# Altium PCB A8_multiple.PcbDoc (part 1 of 10)
Units mm, origin at the board's own origin, x right, y up, seen from the top; angles counter-clockwise.
Board outline 140 x 140 mm, 2 copper layers (Top Layer, Bottom Layer); 80 components, 0 nets, 928 pads, 160 vias.
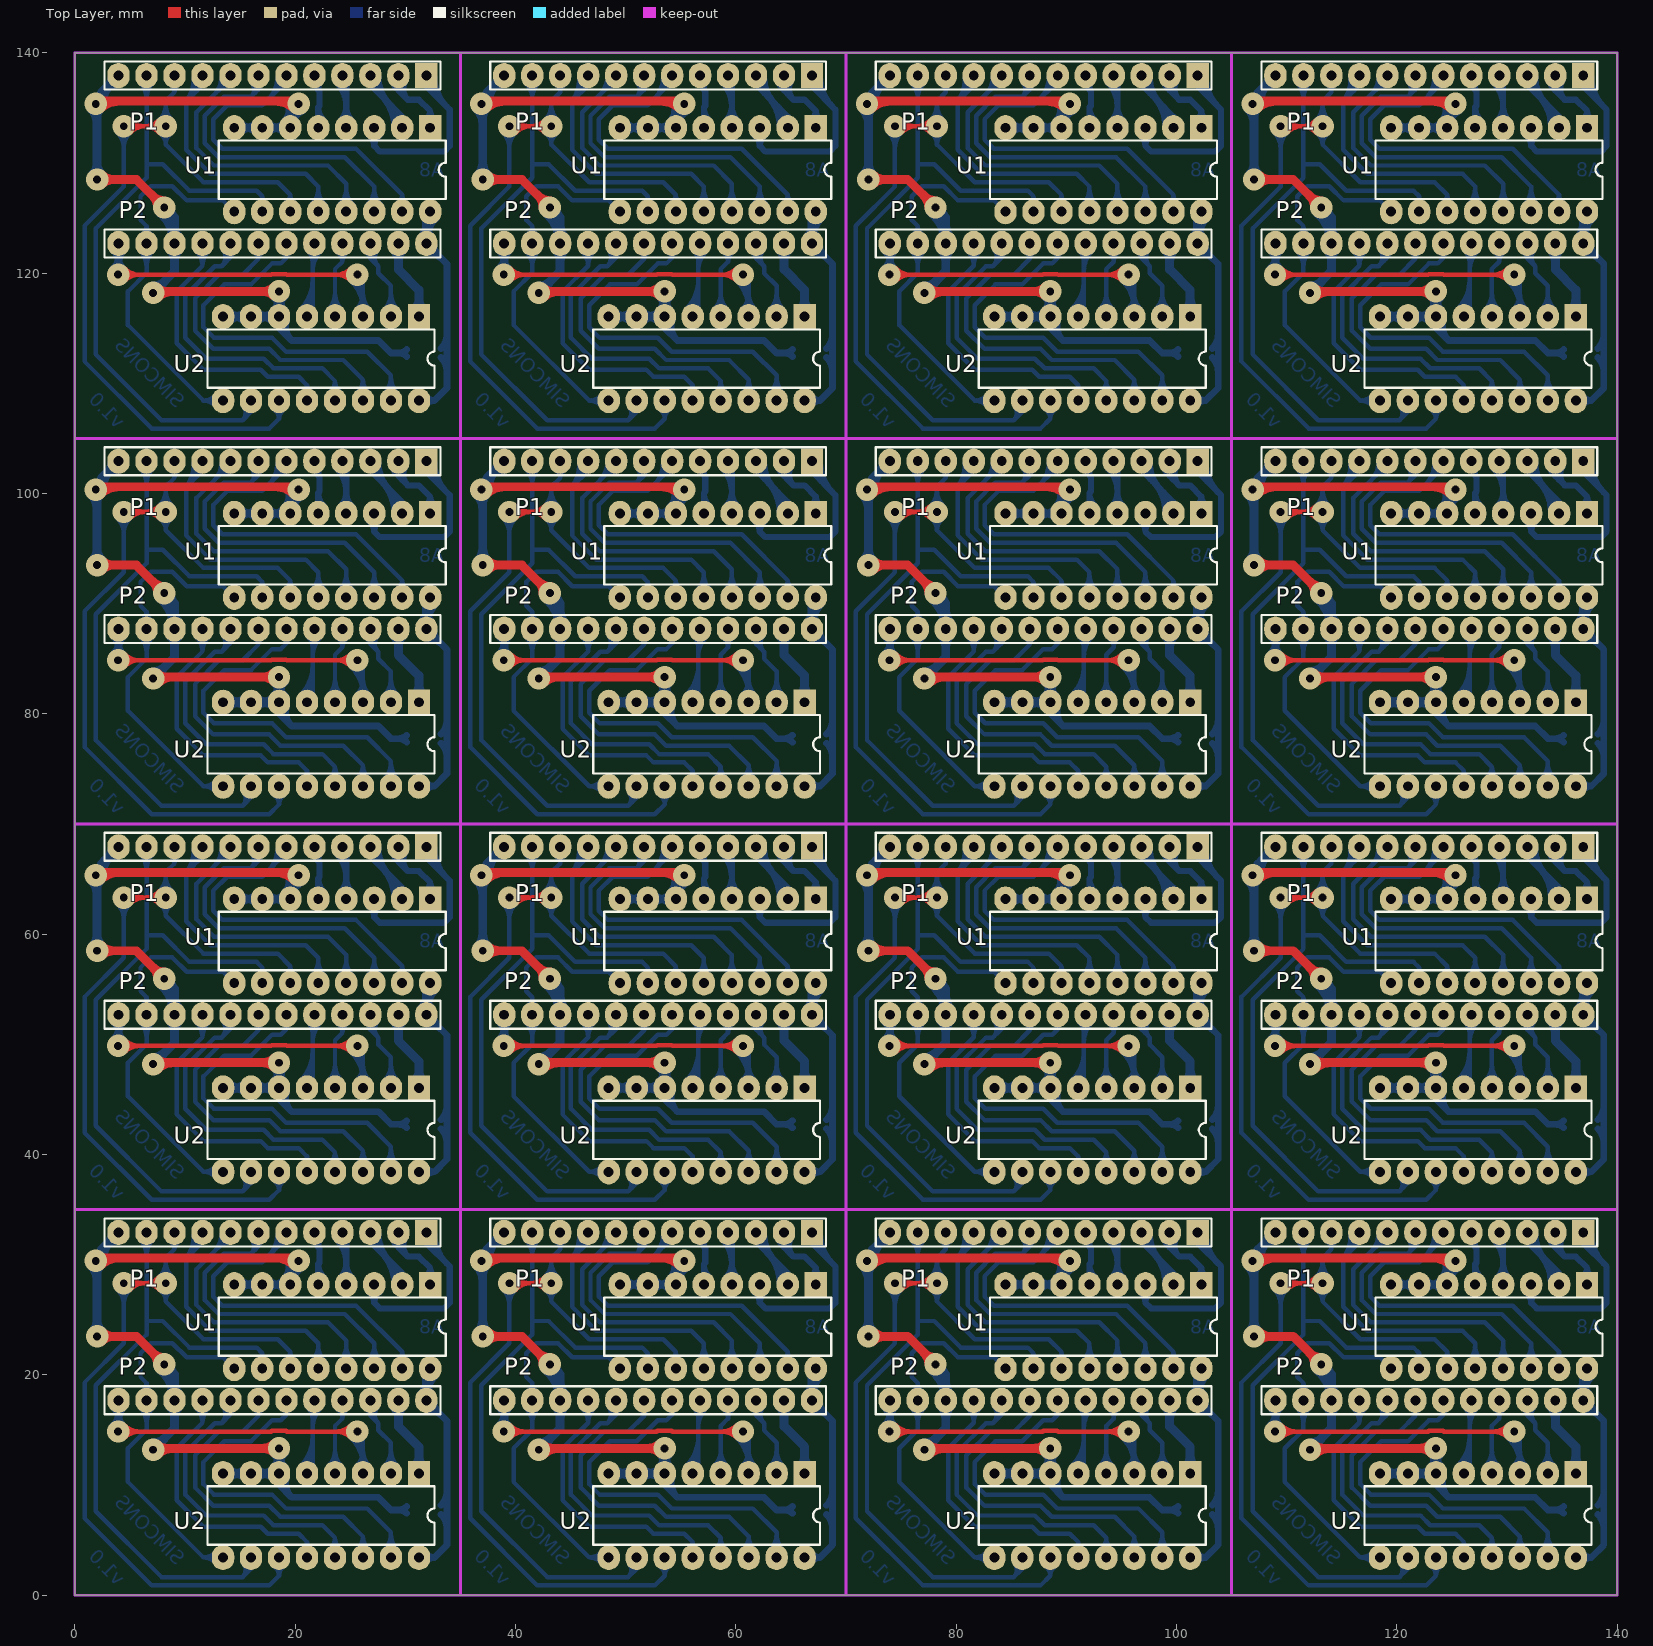
[diagram p0: Top Layer view]
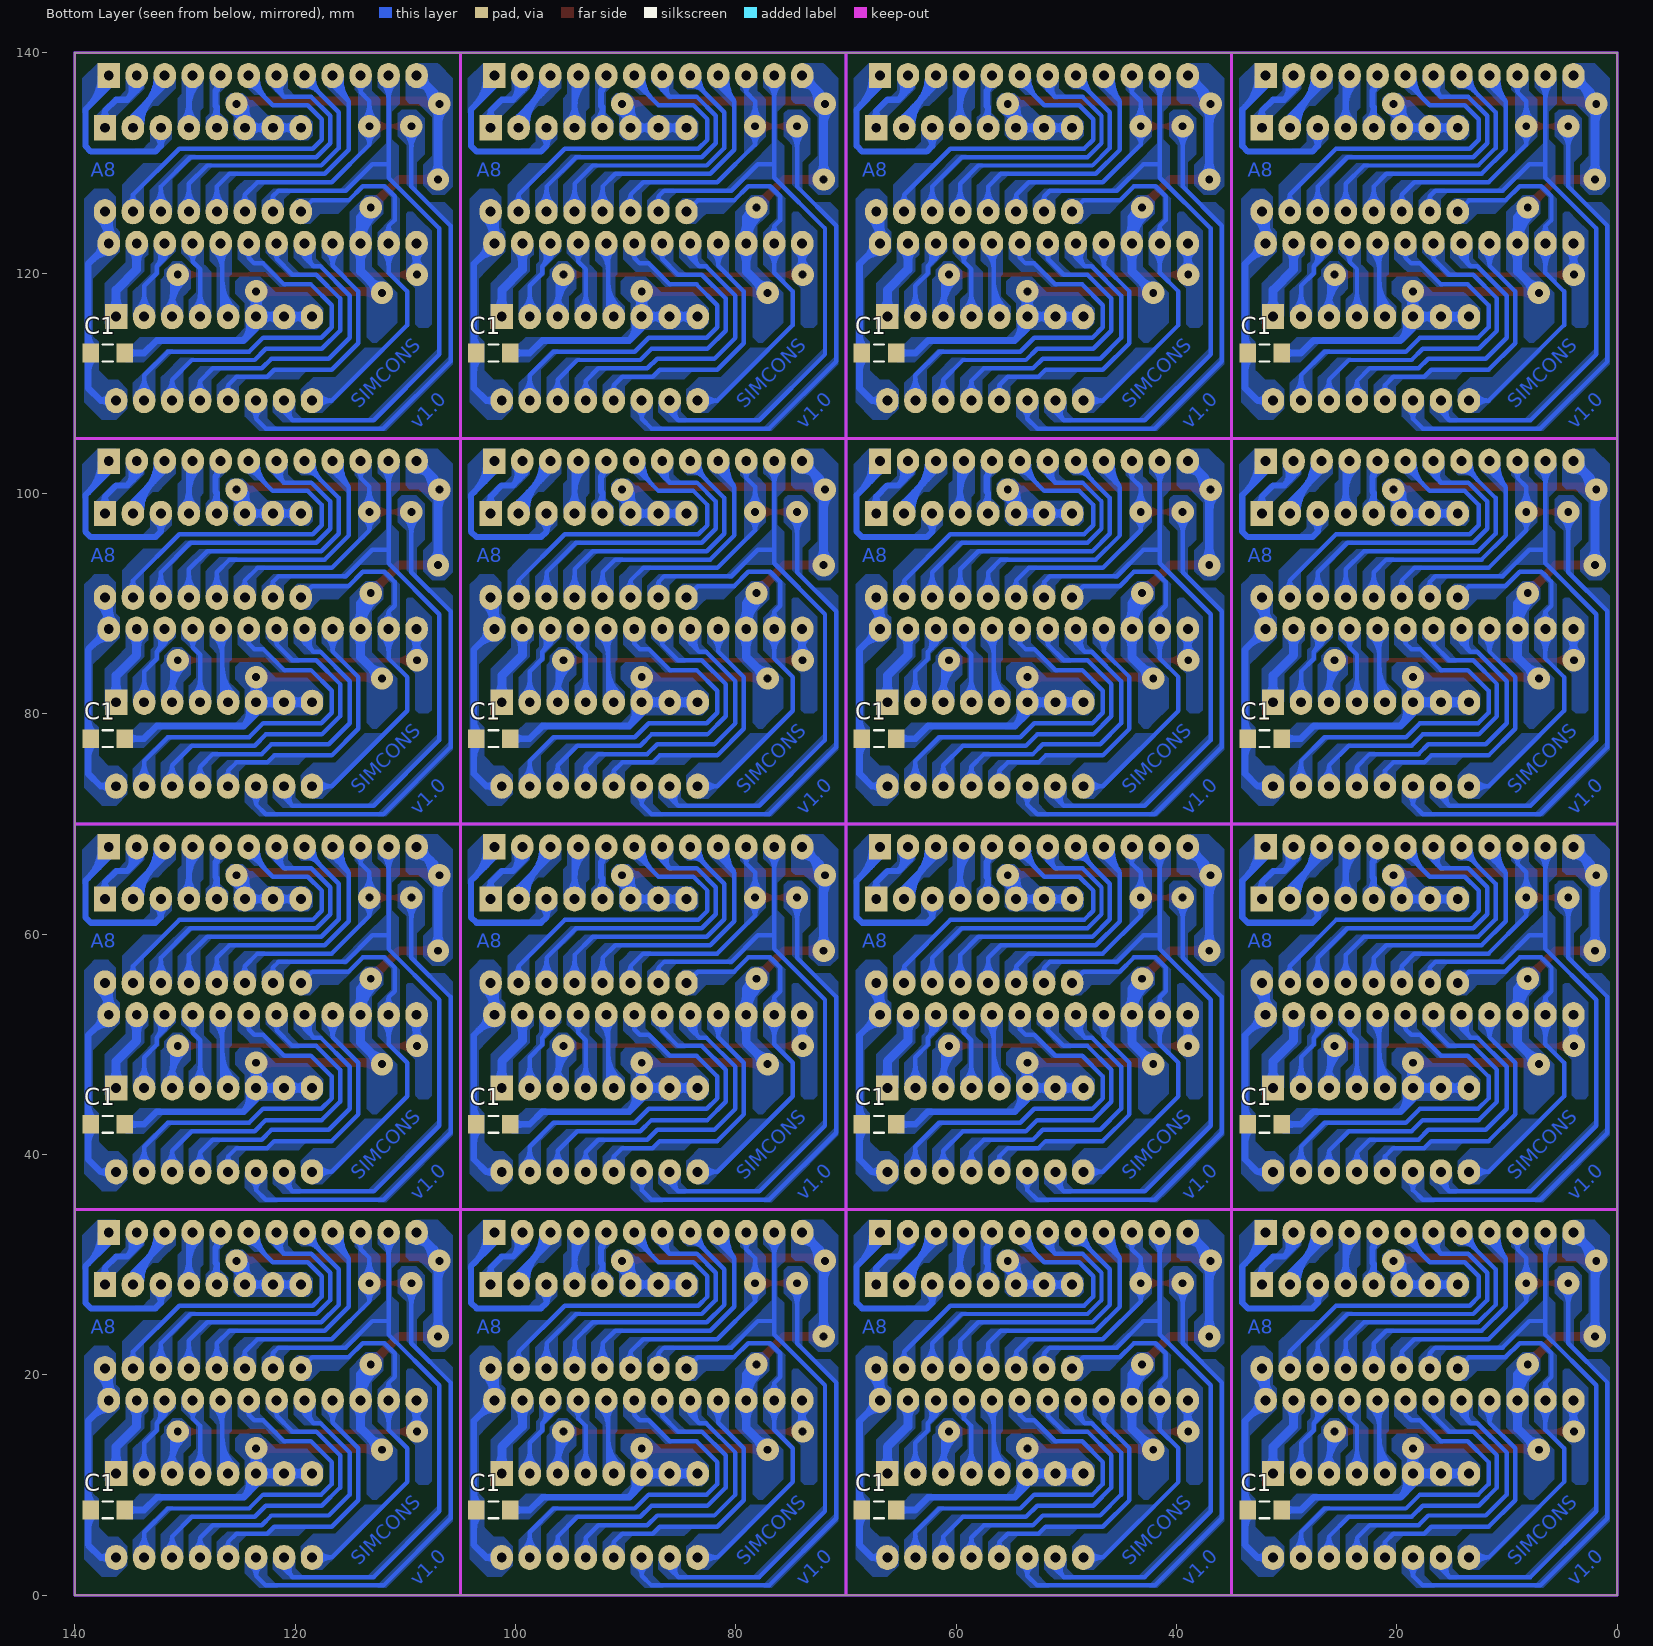
[diagram p1: Bottom Layer view, seen from below]

## Layer stack, top to bottom
Top Solder: solder mask 0.0102, Solder Resist, Dk 3.5
Top Layer: signal copper 0.0356
Dielectric 1: dielectric 0.32, FR-4, Dk 4.8
Bottom Layer: signal copper 0.0356
Bottom Solder: solder mask 0.0102, Solder Resist, Dk 3.5

## Board outline
0,0 140,0 140,140 0,140

## Design rules (kind name [scope] priority, off if disabled: settings)
Clearance [All] p1: gap=0.254
PolygonConnect [All] p1: connectstyle=Relief reliefconductorwidth=0.254 reliefentries=4 polygonreliefangle="90 Angle" airgapwidth=0.254
RoutingVias [All] p1: holewidth=0.711 width=1.27 viastyle="Through Hole" minholewidth=0.711 minwidth=1.27 maxholewidth=0.711 maxwidth=1.27
SolderMaskExpansion [All] p1: expansion=0.102
Width [All] p1: maxlimit=0.254 minlimit=0.254 preferedwidth=0.254
29 further rules are at their usual default settings.

## Components (designator, comment, footprint, x,y, rotation, side; value= is the part's Value field where it differs from the comment)
C1 ".1uF 1206" C1206_W 137.004,112.747 r0 bottom
C1 ".1uF 1206" C1206_W 102.004,112.747 r0 bottom
C1 ".1uF 1206" C1206_W 67.004,112.747 r0 bottom
C1 ".1uF 1206" C1206_W 32.004,112.747 r0 bottom
C1 ".1uF 1206" C1206_W 137.004,77.747 r0 bottom
C1 ".1uF 1206" C1206_W 102.004,77.747 r0 bottom
C1 ".1uF 1206" C1206_W 67.004,77.747 r0 bottom
C1 ".1uF 1206" C1206_W 32.004,77.747 r0 bottom
C1 ".1uF 1206" C1206_W 137.004,42.747 r0 bottom
C1 ".1uF 1206" C1206_W 102.004,42.747 r0 bottom
C1 ".1uF 1206" C1206_W 67.004,42.747 r0 bottom
C1 ".1uF 1206" C1206_W 32.004,42.747 r0 bottom
C1 ".1uF 1206" C1206_W 137.004,7.747 r0 bottom
C1 ".1uF 1206" C1206_W 102.004,7.747 r0 bottom
C1 ".1uF 1206" C1206_W 67.004,7.747 r0 bottom
C1 ".1uF 1206" C1206_W 32.004,7.747 r0 bottom
P1 "Header 12" HDR1X12#1 136.915,137.931 r180 top
P1 "Header 12" HDR1X12#1 101.915,137.931 r180 top
P1 "Header 12" HDR1X12#1 66.915,137.931 r180 top
P1 "Header 12" HDR1X12#1 31.915,137.931 r180 top
P1 "Header 12" HDR1X12#1 136.915,102.931 r180 top
P1 "Header 12" HDR1X12#1 101.915,102.931 r180 top
P1 "Header 12" HDR1X12#1 66.915,102.931 r180 top
P1 "Header 12" HDR1X12#1 31.915,102.931 r180 top
P1 "Header 12" HDR1X12#1 136.915,67.931 r180 top
P1 "Header 12" HDR1X12#1 101.915,67.931 r180 top
P1 "Header 12" HDR1X12#1 66.915,67.931 r180 top
P1 "Header 12" HDR1X12#1 31.915,67.931 r180 top
P1 "Header 12" HDR1X12#1 136.915,32.931 r180 top
P1 "Header 12" HDR1X12#1 101.915,32.931 r180 top
P1 "Header 12" HDR1X12#1 66.915,32.931 r180 top
P1 "Header 12" HDR1X12#1 31.915,32.931 r180 top
P2 "Header 12" HDR1X12#2 108.975,122.691 r0 top
P2 "Header 12" HDR1X12#2 73.975,122.691 r0 top
P2 "Header 12" HDR1X12#2 38.975,122.691 r0 top
P2 "Header 12" HDR1X12#2 3.975,122.691 r0 top
P2 "Header 12" HDR1X12#2 108.975,87.691 r0 top
P2 "Header 12" HDR1X12#2 73.975,87.691 r0 top
P2 "Header 12" HDR1X12#2 38.975,87.691 r0 top
P2 "Header 12" HDR1X12#2 3.975,87.691 r0 top
P2 "Header 12" HDR1X12#2 108.975,52.691 r0 top
P2 "Header 12" HDR1X12#2 73.975,52.691 r0 top
P2 "Header 12" HDR1X12#2 38.975,52.691 r0 top
P2 "Header 12" HDR1X12#2 3.975,52.691 r0 top
P2 "Header 12" HDR1X12#2 108.975,17.691 r0 top
P2 "Header 12" HDR1X12#2 73.975,17.691 r0 top
P2 "Header 12" HDR1X12#2 38.975,17.691 r0 top
P2 "Header 12" HDR1X12#2 3.975,17.691 r0 top
U1 "HCF4051BEY" DIP16 128.368,129.384 r180 top
U1 "HCF4051BEY" DIP16 93.368,129.384 r180 top
U1 "HCF4051BEY" DIP16 58.368,129.384 r180 top
U1 "HCF4051BEY" DIP16 23.368,129.384 r180 top
U1 "HCF4051BEY" DIP16 128.368,94.384 r180 top
U1 "HCF4051BEY" DIP16 93.368,94.384 r180 top
U1 "HCF4051BEY" DIP16 58.368,94.384 r180 top
U1 "HCF4051BEY" DIP16 23.368,94.384 r180 top
U1 "HCF4051BEY" DIP16 128.368,59.384 r180 top
U1 "HCF4051BEY" DIP16 93.368,59.384 r180 top
U1 "HCF4051BEY" DIP16 58.368,59.384 r180 top
U1 "HCF4051BEY" DIP16 23.368,59.384 r180 top
U1 "HCF4051BEY" DIP16 128.368,24.384 r180 top
U1 "HCF4051BEY" DIP16 93.368,24.384 r180 top
U1 "HCF4051BEY" DIP16 58.368,24.384 r180 top
U1 "HCF4051BEY" DIP16 23.368,24.384 r180 top
U2 "HCF4051BEY" DIP16 127.352,112.239 r180 top
U2 "HCF4051BEY" DIP16 92.352,112.239 r180 top
U2 "HCF4051BEY" DIP16 57.352,112.239 r180 top
U2 "HCF4051BEY" DIP16 22.352,112.239 r180 top
U2 "HCF4051BEY" DIP16 127.352,77.239 r180 top
U2 "HCF4051BEY" DIP16 92.352,77.239 r180 top
U2 "HCF4051BEY" DIP16 57.352,77.239 r180 top
U2 "HCF4051BEY" DIP16 22.352,77.239 r180 top
U2 "HCF4051BEY" DIP16 127.352,42.239 r180 top
U2 "HCF4051BEY" DIP16 92.352,42.239 r180 top
U2 "HCF4051BEY" DIP16 57.352,42.239 r180 top
U2 "HCF4051BEY" DIP16 22.352,42.239 r180 top
U2 "HCF4051BEY" DIP16 127.352,7.239 r180 top
U2 "HCF4051BEY" DIP16 92.352,7.239 r180 top
U2 "HCF4051BEY" DIP16 57.352,7.239 r180 top
U2 "HCF4051BEY" DIP16 22.352,7.239 r180 top

## Footprints (in the part's own frame and the unit in brackets; to place one, negate y for a bottom-side part, rotate by r counter-clockwise, add the part's x,y. Pads: shape width x height; smd on the part's side, far side on the other; paste and mask are expansions set on the pad)
C1206_W [mm] "Chip Capacitor, Body 3.2x1.6mm, IPC High Density"
  rect 1.5x1.7 smd: 1(-1.55,0) 2(1.55,0)
  silkscreen extent -0.44,-0.76 0.44,0.76, body extent -1.6,-0.8 1.6,0.8, height 1
DIP16 [mil] "DIP; 16 Leads; Row Spacing 7.62 mm; Pitch 2.54 mm"
  rect 80x90 hole 35.43: 1(-350,-150)
  oval 80x90 hole 35.43: 2(-250,-150) 3(-150,-150) 4(-50,-150) 5(50,-150) 6(150,-150) 7(250,-150) 8(350,-150) 9(350,150) 10(250,150) 11(150,150) 12(50,150) 13(-50,150) 14(-150,150) 15(-250,150) 16(-350,150)
  silkscreen extent -406,-104 406,104
HDR1X12#1 [mil] "Connector; Header; 12 Position"
  rect 80x90 hole 35.43: 1(0,0)
  oval 80x90 hole 35.43: 2(100,0) 3(200,0) 4(300,0) 5(400,0) 6(500,0) 7(600,0) 8(700,0) 9(800,0) 10(900,0) 11(1000,0) 12(1100,0)
  silkscreen extent -50,-50 1150,50
HDR1X12#2 [mil] "Connector; Header; 12 Position"
  oval 80x90 hole 35.43: 1(0,0) 2(100,0) 3(200,0) 4(300,0) 5(400,0) 6(500,0) 7(600,0) 8(700,0) 9(800,0) 10(900,0) 11(1000,0) 12(1100,0)
  silkscreen extent -50,-50 1150,50

## Part data
C1 C1 C1 C1 C1 C1 C1 C1 C1 C1 C1 C1 C1 C1 C1 C1: library part Cap, "Capacitor"
P1 P1 P1 P1 P1 P1 P1 P1 P1 P1 P1 P1 P1 P1 P1 P1 P2 P2 P2 P2 P2 P2 P2 P2 P2 P2 P2 P2 P2 P2 P2 P2: "Header, 12-Pin"
U1 U1 U1 U1 U1 U1 U1 U1 U1 U1 U1 U1 U1 U1 U1 U1 U2 U2 U2 U2 U2 U2 U2 U2 U2 U2 U2 U2 U2 U2 U2 U2: "Analog Multiplexer/Demultiplexer"

## Via types
v1: diameter 2.032, hole 0.711, Top Layer to Bottom Layer, 160 vias

## Nets (pads, with @x,y where several pads share a name; then routed paths per layer and width w, separated by ;. In a path a pad name is that pad's centre, name@x,y a point inside that pad or via, vN(x,y) a via of type N, cw(c..) or ccw(c..) an arc to the next point about the centre after c; other vN are vias at no path point)
pads on no net: C1.1 C1.2 P1.1 P1.2 P1.3 P1.4 P1.5 P1.6 P1.7 P1.8 P1.9 P1.10 P1.11 P1.12 P2.1 P2.2 P2.3 P2.4 P2.5 P2.6 P2.7 P2.8 P2.9 P2.10 P2.11 P2.12 U1.1 U1.2 U1.3 U1.4 U1.5 U1.6 U1.7 U1.8 U1.9 U1.10 U1.11 U1.12 U1.13 U1.14 U1.15 U1.16 U2.1 U2.2 U2.3 U2.4 U2.5 U2.6 U2.7 U2.8 U2.9 U2.10 U2.11 U2.12 U2.13 U2.14 U2.15 U2.16
copper on no net: | length 15847.7
  Top Layer w0.406: v1(3.937,14.859) 17.839,14.859 17.89,14.91 19.194,14.91 19.245,14.859 v1(25.654,14.859) ; v1(3.937,49.859) 17.839,49.859 17.89,49.91 19.194,49.91 19.245,49.859 v1(25.654,49.859) ; v1(3.937,84.859) 17.839,84.859 17.89,84.91 19.194,84.91 19.245,84.859 v1(25.654,84.859) ; v1(3.937,119.859) 17.839,119.859 17.89,119.91 19.194,119.91 19.245,119.859 v1(25.654,119.859) ; v1(4.445,28.321) v1(8.255,28.321) ; v1(4.445,63.321) v1(8.255,63.321) ; v1(4.445,98.321) v1(8.255,98.321) ; v1(4.445,133.321) v1(8.255,133.321) ; v1@4.512,14.284 cw(c5.899,12.897) 5.899,14.859 cw(c5.899,16.821) v1@4.512,15.434 ; v1@4.512,49.284 cw(c5.899,47.897) 5.899,49.859 cw(c5.899,51.821) v1@4.512,50.434 ; v1@4.512,84.284 cw(c5.899,82.897) 5.899,84.859 cw(c5.899,86.821) v1@4.512,85.434 ; v1@4.512,119.284 cw(c5.899,117.897) 5.899,119.859 cw(c5.899,121.821) v1@4.512,120.434 ; v1@5.02,27.746 cw(c6.407,26.359) 6.407,28.321 cw(c6.407,30.283) v1@5.02,28.896 ; v1@5.02,62.746 cw(c6.407,61.359) 6.407,63.321 cw(c6.407,65.283) v1@5.02,63.896 ; v1@5.02,97.746 cw(c6.407,96.359) 6.407,98.321 cw(c6.407,100.283) v1@5.02,98.896 ; v1@5.02,132.746 cw(c6.407,131.359) 6.407,133.321 cw(c6.407,135.283) v1@5.02,133.896 ; v1@7.68,27.746 ccw(c6.293,26.359) 6.293,28.321 ccw(c6.293,30.283) v1@7.68,28.896 ; v1@7.68,62.746 ccw(c6.293,61.359) 6.293,63.321 ccw(c6.293,65.283) v1@7.68,63.896 ; v1@7.68,97.746 ccw(c6.293,96.359) 6.293,98.321 ccw(c6.293,100.283) v1@7.68,98.896 ; v1@7.68,132.746 ccw(c6.293,131.359) 6.293,133.321 ccw(c6.293,135.283) v1@7.68,133.896 ; v1@25.079,14.284 ccw(c23.692,12.897) 23.692,14.859 ccw(c23.692,16.821) v1@25.079,15.434 ; v1@25.079,49.284 ccw(c23.692,47.897) 23.692,49.859 ccw(c23.692,51.821) v1@25.079,50.434 ; v1@25.079,84.284 ccw(c23.692,82.897) 23.692,84.859 ccw(c23.692,86.821) v1@25.079,85.434 ; v1@25.079,119.284 ccw(c23.692,117.897) 23.692,119.859 ccw(c23.692,121.821) v1@25.079,120.434 ; v1(38.937,14.859) 52.839,14.859 52.89,14.91 54.194,14.91 54.245,14.859 v1(60.654,14.859) ; v1(38.937,49.859) 52.839,49.859 52.89,49.91 54.194,49.91 54.245,49.859 v1(60.654,49.859) ; v1(38.937,84.859) 52.839,84.859 52.89,84.91 54.194,84.91 54.245,84.859 v1(60.654,84.859) ; v1(38.937,119.859) 52.839,119.859 52.89,119.91 54.194,119.91 54.245,119.859 v1(60.654,119.859) ; v1(39.445,28.321) v1(43.255,28.321) ; v1(39.445,63.321) v1(43.255,63.321) ; v1(39.445,98.321) v1(43.255,98.321) ; v1(39.445,133.321) v1(43.255,133.321) ; v1@39.512,14.284 cw(c40.899,12.897) 40.899,14.859 cw(c40.899,16.821) v1@39.512,15.434 ; v1@39.512,49.284 cw(c40.899,47.897) 40.899,49.859 cw(c40.899,51.821) v1@39.512,50.434 ; v1@39.512,84.284 cw(c40.899,82.897) 40.899,84.859 cw(c40.899,86.821) v1@39.512,85.434 ; v1@39.512,119.284 cw(c40.899,117.897) 40.899,119.859 cw(c40.899,121.821) v1@39.512,120.434 ; v1@40.02,27.746 cw(c41.407,26.359) 41.407,28.321 cw(c41.407,30.283) v1@40.02,28.896 ; v1@40.02,62.746 cw(c41.407,61.359) 41.407,63.321 cw(c41.407,65.283) v1@40.02,63.896 ; v1@40.02,97.746 cw(c41.407,96.359) 41.407,98.321 cw(c41.407,100.283) v1@40.02,98.896 ; v1@40.02,132.746 cw(c41.407,131.359) 41.407,133.321 cw(c41.407,135.283) v1@40.02,133.896 ; v1@42.68,27.746 ccw(c41.293,26.359) 41.293,28.321 ccw(c41.293,30.283) v1@42.68,28.896 ; v1@42.68,62.746 ccw(c41.293,61.359) 41.293,63.321 ccw(c41.293,65.283) v1@42.68,63.896 ; v1@42.68,97.746 ccw(c41.293,96.359) 41.293,98.321 ccw(c41.293,100.283) v1@42.68,98.896 ; v1@42.68,132.746 ccw(c41.293,131.359) 41.293,133.321 ccw(c41.293,135.283) v1@42.68,133.896 ; v1@60.079,14.284 ccw(c58.692,12.897) 58.692,14.859 ccw(c58.692,16.821) v1@60.079,15.434 ; v1@60.079,49.284 ccw(c58.692,47.897) 58.692,49.859 ccw(c58.692,51.821) v1@60.079,50.434 ; v1@60.079,84.284 ccw(c58.692,82.897) 58.692,84.859 ccw(c58.692,86.821) v1@60.079,85.434 ; v1@60.079,119.284 ccw(c58.692,117.897) 58.692,119.859 ccw(c58.692,121.821) v1@60.079,120.434 ; v1(73.937,14.859) 87.839,14.859 87.89,14.91 89.194,14.91 89.245,14.859 v1(95.654,14.859) ; v1(73.937,49.859) 87.839,49.859 87.89,49.91 89.194,49.91 89.245,49.859 v1(95.654,49.859) ; v1(73.937,84.859) 87.839,84.859 87.89,84.91 89.194,84.91 89.245,84.859 v1(95.654,84.859) ; v1(73.937,119.859) 87.839,119.859 87.89,119.91 89.194,119.91 89.245,119.859 v1(95.654,119.859) ; v1(74.445,28.321) v1(78.255,28.321) ; v1(74.445,63.321) v1(78.255,63.321) ; v1(74.445,98.321) v1(78.255,98.321) ; v1(74.445,133.321) v1(78.255,133.321) ; v1@74.512,14.284 cw(c75.899,12.897) 75.899,14.859 cw(c75.899,16.821) v1@74.512,15.434 ; v1@74.512,49.284 cw(c75.899,47.897) 75.899,49.859 cw(c75.899,51.821) v1@74.512,50.434 ; v1@74.512,84.284 cw(c75.899,82.897) 75.899,84.859 cw(c75.899,86.821) v1@74.512,85.434 ; v1@74.512,119.284 cw(c75.899,117.897) 75.899,119.859 cw(c75.899,121.821) v1@74.512,120.434 ; v1@75.02,27.746 cw(c76.407,26.359) 76.407,28.321 cw(c76.407,30.283) v1@75.02,28.896 ; v1@75.02,62.746 cw(c76.407,61.359) 76.407,63.321 cw(c76.407,65.283) v1@75.02,63.896 ; v1@75.02,97.746 cw(c76.407,96.359) 76.407,98.321 cw(c76.407,100.283) v1@75.02,98.896 ; v1@75.02,132.746 cw(c76.407,131.359) 76.407,133.321 cw(c76.407,135.283) v1@75.02,133.896 ; v1@77.68,27.746 ccw(c76.293,26.359) 76.293,28.321 ccw(c76.293,30.283) v1@77.68,28.896 ; v1@77.68,62.746 ccw(c76.293,61.359) 76.293,63.321 ccw(c76.293,65.283) v1@77.68,63.896 ; v1@77.68,97.746 ccw(c76.293,96.359) 76.293,98.321 ccw(c76.293,100.283) v1@77.68,98.896 ; v1@77.68,132.746 ccw(c76.293,131.359) 76.293,133.321 ccw(c76.293,135.283) v1@77.68,133.896 ; v1@95.079,14.284 ccw(c93.692,12.897) 93.692,14.859 ccw(c93.692,16.821) v1@95.079,15.434 ; v1@95.079,49.284 ccw(c93.692,47.897) 93.692,49.859 ccw(c93.692,51.821) v1@95.079,50.434 ; v1@95.079,84.284 ccw(c93.692,82.897) 93.692,84.859 ccw(c93.692,86.821) v1@95.079,85.434 ; v1@95.079,119.284 ccw(c93.692,117.897) 93.692,119.859 ccw(c93.692,121.821) v1@95.079,120.434 ; v1(108.937,14.859) 122.839,14.859 122.89,14.91 124.194,14.91 124.245,14.859 v1(130.654,14.859) ; v1(108.937,49.859) 122.839,49.859 122.89,49.91 124.194,49.91 124.245,49.859 v1(130.654,49.859) ; v1(108.937,84.859) 122.839,84.859 122.89,84.91 124.194,84.91 124.245,84.859 v1(130.654,84.859) ; v1(108.937,119.859) 122.839,119.859 122.89,119.91 124.194,119.91 124.245,119.859 v1(130.654,119.859) ; v1(109.445,28.321) v1(113.255,28.321) ; v1(109.445,63.321) v1(113.255,63.321) ; v1(109.445,98.321) v1(113.255,98.321) ; v1(109.445,133.321) v1(113.255,133.321) ; v1@109.512,14.284 cw(c110.899,12.897) 110.899,14.859 cw(c110.899,16.821) v1@109.512,15.434 ; v1@109.512,49.284 cw(c110.899,47.897) 110.899,49.859 cw(c110.899,51.821) v1@109.512,50.434 ; v1@109.512,84.284 cw(c110.899,82.897) 110.899,84.859 cw(c110.899,86.821) v1@109.512,85.434 ; v1@109.512,119.284 cw(c110.899,117.897) 110.899,119.859 cw(c110.899,121.821) v1@109.512,120.434 ; v1@110.02,27.746 cw(c111.407,26.359) 111.407,28.321 cw(c111.407,30.283) v1@110.02,28.896 ; v1@110.02,62.746 cw(c111.407,61.359) 111.407,63.321 cw(c111.407,65.283) v1@110.02,63.896 ; v1@110.02,97.746 cw(c111.407,96.359) 111.407,98.321 cw(c111.407,100.283) v1@110.02,98.896 ; v1@110.02,132.746 cw(c111.407,131.359) 111.407,133.321 cw(c111.407,135.283) v1@110.02,133.896 ; v1@112.68,27.746 ccw(c111.293,26.359) 111.293,28.321 ccw(c111.293,30.283) v1@112.68,28.896 ; v1@112.68,62.746 ccw(c111.293,61.359) 111.293,63.321 ccw(c111.293,65.283) v1@112.68,63.896 ; v1@112.68,97.746 ccw(c111.293,96.359) 111.293,98.321 ccw(c111.293,100.283) v1@112.68,98.896 ; v1@112.68,132.746 ccw(c111.293,131.359) 111.293,133.321 ccw(c111.293,135.283) v1@112.68,133.896 ; v1@130.079,14.284 ccw(c128.692,12.897) 128.692,14.859 ccw(c128.692,16.821) v1@130.079,15.434 ; v1@130.079,49.284 ccw(c128.692,47.897) 128.692,49.859 ccw(c128.692,51.821) v1@130.079,50.434 ; v1@130.079,84.284 ccw(c128.692,82.897) 128.692,84.859 ccw(c128.692,86.821) v1@130.079,85.434 ; v1@130.079,119.284 ccw(c128.692,117.897) 128.692,119.859 ccw(c128.692,121.821) v1@130.079,120.434
  Top Layer w0.813: v1(1.905,30.353) 2.159,30.353 2.413,30.607 20.447,30.607 20.32,30.48 v1(20.32,30.353) ; v1(1.905,65.353) 2.159,65.353 2.413,65.607 20.447,65.607 20.32,65.48 v1(20.32,65.353) ; v1(1.905,100.353) 2.159,100.353 2.413,100.607 20.447,100.607 20.32,100.48 v1(20.32,100.353) ; v1(1.905,135.353) 2.159,135.353 2.413,135.607 20.447,135.607 20.32,135.48 v1(20.32,135.353) ; v1(2.032,23.495) 5.588,23.495 v1(8.128,20.955) ; v1(2.032,58.495) 5.588,58.495 v1(8.128,55.955) ; v1(2.032,93.495) 5.588,93.495 v1(8.128,90.955) ; v1(2.032,128.495) 5.588,128.495 v1(8.128,125.955) ; v1@2.336,29.922 cw(c3.99,28.268) 3.99,30.607 ; v1@2.336,64.922 cw(c3.99,63.268) 3.99,65.607 ; v1@2.336,99.922 cw(c3.99,98.268) 3.99,100.607 ; v1@2.336,134.922 cw(c3.99,133.268) 3.99,135.607 ; v1@2.463,23.064 cw(c3.504,22.023) 3.504,23.495 cw(c3.504,24.967) v1@2.463,23.926 ; v1@2.463,58.064 cw(c3.504,57.023) 3.504,58.495 cw(c3.504,59.967) v1@2.463,58.926 ; v1@2.463,93.064 cw(c3.504,92.023) 3.504,93.495 cw(c3.504,94.967) v1@2.463,93.926 ; v1@2.463,128.064 cw(c3.504,127.023) 3.504,128.495 cw(c3.504,129.967) v1@2.463,128.926 ; v1(7.112,13.208) 7.239,13.335 v1(18.542,13.335) ; v1(7.112,48.208) 7.239,48.335 v1(18.542,48.335) ; v1(7.112,83.208) 7.239,83.335 v1(18.542,83.335) ; v1(7.112,118.208) 7.239,118.335 v1(18.542,118.335) ; v1@7.518,20.955 ccw(c6.047,20.955) 7.087,21.996 ccw(c8.128,23.036) v1@8.128,21.565 ; v1@7.518,55.955 ccw(c6.047,55.955) 7.087,56.996 ccw(c8.128,58.036) v1@8.128,56.565 ; v1@7.518,90.955 ccw(c6.047,90.955) 7.087,91.996 ccw(c8.128,93.036) v1@8.128,91.565 ; v1@7.518,125.955 ccw(c6.047,125.955) 7.087,126.996 ccw(c8.128,128.036) v1@8.128,126.565 ; v1@7.543,12.777 cw(c8.89,11.43) 8.89,13.335 ; v1@7.543,13.639 ccw(c8.277,14.373) 8.277,13.335 ; v1@7.543,47.777 cw(c8.89,46.43) 8.89,48.335 ; v1@7.543,48.639 ccw(c8.277,49.373) 8.277,48.335 ; v1@7.543,82.777 cw(c8.89,81.43) 8.89,83.335 ; v1@7.543,83.639 ccw(c8.277,84.373) 8.277,83.335 ; v1@7.543,117.777 cw(c8.89,116.43) 8.89,118.335 ; v1@7.543,118.639 ccw(c8.277,119.373) 8.277,118.335 ; v1@18.111,12.904 ccw(c17.07,11.863) 17.07,13.335 ccw(c17.07,14.807) v1@18.111,13.766 ; v1@18.111,47.904 ccw(c17.07,46.863) 17.07,48.335 ccw(c17.07,49.807) v1@18.111,48.766 ; v1@18.111,82.904 ccw(c17.07,81.863) 17.07,83.335 ccw(c17.07,84.807) v1@18.111,83.766 ; v1@18.111,117.904 ccw(c17.07,116.863) 17.07,118.335 ccw(c17.07,119.807) v1@18.111,118.766 ; 18.235,30.607 cw(c18.235,28.268) v1@19.889,29.922 ; 18.235,65.607 cw(c18.235,63.268) v1@19.889,64.922 ; 18.235,100.607 cw(c18.235,98.268) v1@19.889,99.922 ; 18.235,135.607 cw(c18.235,133.268) v1@19.889,134.922 ; v1(36.905,30.353) 37.159,30.353 37.413,30.607 55.447,30.607 55.32,30.48 v1(55.32,30.353) ; v1(36.905,65.353) 37.159,65.353 37.413,65.607 55.447,65.607 55.32,65.48 v1(55.32,65.353) ; v1(36.905,100.353) 37.159,100.353 37.413,100.607 55.447,100.607 55.32,100.48 v1(55.32,100.353) ; v1(36.905,135.353) 37.159,135.353 37.413,135.607 55.447,135.607 55.32,135.48 v1(55.32,135.353) ; v1(37.032,23.495) 40.588,23.495 v1(43.128,20.955) ; v1(37.032,58.495) 40.588,58.495 v1(43.128,55.955) ; v1(37.032,93.495) 40.588,93.495 v1(43.128,90.955) ; v1(37.032,128.495) 40.588,128.495 v1(43.128,125.955) ; v1@37.336,29.922 cw(c38.99,28.268) 38.99,30.607 ; v1@37.336,64.922 cw(c38.99,63.268) 38.99,65.607 ; v1@37.336,99.922 cw(c38.99,98.268) 38.99,100.607 ; v1@37.336,134.922 cw(c38.99,133.268) 38.99,135.607 ; v1@37.463,23.064 cw(c38.504,22.023) 38.504,23.495 cw(c38.504,24.967) v1@37.463,23.926 ; v1@37.463,58.064 cw(c38.504,57.023) 38.504,58.495 cw(c38.504,59.967) v1@37.463,58.926 ; v1@37.463,93.064 cw(c38.504,92.023) 38.504,93.495 cw(c38.504,94.967) v1@37.463,93.926 ; v1@37.463,128.064 cw(c38.504,127.023) 38.504,128.495 cw(c38.504,129.967) v1@37.463,128.926 ; v1(42.112,13.208) 42.239,13.335 v1(53.542,13.335) ; v1(42.112,48.208) 42.239,48.335 v1(53.542,48.335) ; v1(42.112,83.208) 42.239,83.335 v1(53.542,83.335) ; v1(42.112,118.208) 42.239,118.335 v1(53.542,118.335) ; v1@42.518,20.955 ccw(c41.047,20.955) 42.087,21.996 ccw(c43.128,23.036) v1@43.128,21.565 ; v1@42.518,55.955 ccw(c41.047,55.955) 42.087,56.996 ccw(c43.128,58.036) v1@43.128,56.565 ; v1@42.518,90.955 ccw(c41.047,90.955) 42.087,91.996 ccw(c43.128,93.036) v1@43.128,91.565 ; v1@42.518,125.955 ccw(c41.047,125.955) 42.087,126.996 ccw(c43.128,128.036) v1@43.128,126.565 ; v1@42.543,12.777 cw(c43.89,11.43) 43.89,13.335 ; v1@42.543,13.639 ccw(c43.277,14.373) 43.277,13.335 ; v1@42.543,47.777 cw(c43.89,46.43) 43.89,48.335 ; v1@42.543,48.639 ccw(c43.277,49.373) 43.277,48.335 ; v1@42.543,82.777 cw(c43.89,81.43) 43.89,83.335 ; v1@42.543,83.639 ccw(c43.277,84.373) 43.277,83.335 ; v1@42.543,117.777 cw(c43.89,116.43) 43.89,118.335 ; v1@42.543,118.639 ccw(c43.277,119.373) 43.277,118.335 ; v1@53.111,12.904 ccw(c52.07,11.863) 52.07,13.335 ccw(c52.07,14.807) v1@53.111,13.766 ; v1@53.111,47.904 ccw(c52.07,46.863) 52.07,48.335 ccw(c52.07,49.807) v1@53.111,48.766 ; v1@53.111,82.904 ccw(c52.07,81.863) 52.07,83.335 ccw(c52.07,84.807) v1@53.111,83.766 ; v1@53.111,117.904 ccw(c52.07,116.863) 52.07,118.335 ccw(c52.07,119.807) v1@53.111,118.766 ; 53.235,30.607 cw(c53.235,28.268) v1@54.889,29.922 ; 53.235,65.607 cw(c53.235,63.268) v1@54.889,64.922 ; 53.235,100.607 cw(c53.235,98.268) v1@54.889,99.922 ; 53.235,135.607 cw(c53.235,133.268) v1@54.889,134.922 ; v1(71.905,30.353) 72.159,30.353 72.413,30.607 90.447,30.607 90.32,30.48 v1(90.32,30.353) ; v1(71.905,65.353) 72.159,65.353 72.413,65.607 90.447,65.607 90.32,65.48 v1(90.32,65.353) ; v1(71.905,100.353) 72.159,100.353 72.413,100.607 90.447,100.607 90.32,100.48 v1(90.32,100.353) ; v1(71.905,135.353) 72.159,135.353 72.413,135.607 90.447,135.607 90.32,135.48 v1(90.32,135.353) ; v1(72.032,23.495) 75.588,23.495 v1(78.128,20.955) ; v1(72.032,58.495) 75.588,58.495 v1(78.128,55.955) ; v1(72.032,93.495) 75.588,93.495 v1(78.128,90.955) ; v1(72.032,128.495) 75.588,128.495 v1(78.128,125.955) ; v1@72.336,29.922 cw(c73.99,28.268) 73.99,30.607 ; v1@72.336,64.922 cw(c73.99,63.268) 73.99,65.607 ; v1@72.336,99.922 cw(c73.99,98.268) 73.99,100.607 ; v1@72.336,134.922 cw(c73.99,133.268) 73.99,135.607 ; v1@72.463,23.064 cw(c73.504,22.023) 73.504,23.495 cw(c73.504,24.967) v1@72.463,23.926 ; v1@72.463,58.064 cw(c73.504,57.023) 73.504,58.495 cw(c73.504,59.967) v1@72.463,58.926 ; v1@72.463,93.064 cw(c73.504,92.023) 73.504,93.495 cw(c73.504,94.967) v1@72.463,93.926 ; v1@72.463,128.064 cw(c73.504,127.023) 73.504,128.495 cw(c73.504,129.967) v1@72.463,128.926 ; v1(77.112,13.208) 77.239,13.335 v1(88.542,13.335) ; v1(77.112,48.208) 77.239,48.335 v1(88.542,48.335) ; v1(77.112,83.208) 77.239,83.335 v1(88.542,83.335) ; v1(77.112,118.208) 77.239,118.335 v1(88.542,118.335) ; v1@77.518,20.955 ccw(c76.047,20.955) 77.087,21.996 ccw(c78.128,23.036) v1@78.128,21.565 ; v1@77.518,55.955 ccw(c76.047,55.955) 77.087,56.996 ccw(c78.128,58.036) v1@78.128,56.565 ; v1@77.518,90.955 ccw(c76.047,90.955) 77.087,91.996 ccw(c78.128,93.036) v1@78.128,91.565 ; v1@77.518,125.955 ccw(c76.047,125.955) 77.087,126.996 ccw(c78.128,128.036) v1@78.128,126.565 ; v1@77.543,12.777 cw(c78.89,11.43) 78.89,13.335 ; v1@77.543,13.639 ccw(c78.277,14.373) 78.277,13.335 ; v1@77.543,47.777 cw(c78.89,46.43) 78.89,48.335 ; v1@77.543,48.639 ccw(c78.277,49.373) 78.277,48.335 ; v1@77.543,82.777 cw(c78.89,81.43) 78.89,83.335 ; v1@77.543,83.639 ccw(c78.277,84.373) 78.277,83.335 ; v1@77.543,117.777 cw(c78.89,116.43) 78.89,118.335 ; v1@77.543,118.639 ccw(c78.277,119.373) 78.277,118.335 ; v1@88.111,12.904 ccw(c87.07,11.863) 87.07,13.335 ccw(c87.07,14.807) v1@88.111,13.766 ; v1@88.111,47.904 ccw(c87.07,46.863) 87.07,48.335 ccw(c87.07,49.807) v1@88.111,48.766 ; v1@88.111,82.904 ccw(c87.07,81.863) 87.07,83.335 ccw(c87.07,84.807) v1@88.111,83.766 ; v1@88.111,117.904 ccw(c87.07,116.863) 87.07,118.335 ccw(c87.07,119.807) v1@88.111,118.766 ; 88.235,30.607 cw(c88.235,28.268) v1@89.889,29.922 ; 88.235,65.607 cw(c88.235,63.268) v1@89.889,64.922 ; 88.235,100.607 cw(c88.235,98.268) v1@89.889,99.922 ; 88.235,135.607 cw(c88.235,133.268) v1@89.889,134.922 ; v1(106.905,30.353) 107.159,30.353 107.413,30.607 125.447,30.607 125.32,30.48 v1(125.32,30.353) ; v1(106.905,65.353) 107.159,65.353 107.413,65.607 125.447,65.607 125.32,65.48 v1(125.32,65.353) ; v1(106.905,100.353) 107.159,100.353 107.413,100.607 125.447,100.607 125.32,100.48 v1(125.32,100.353) ; v1(106.905,135.353) 107.159,135.353 107.413,135.607 125.447,135.607 125.32,135.48 v1(125.32,135.353) ; v1(107.032,23.495) 110.588,23.495 v1(113.128,20.955) ; v1(107.032,58.495) 110.588,58.495 v1(113.128,55.955) ; v1(107.032,93.495) 110.588,93.495 v1(113.128,90.955) ; v1(107.032,128.495) 110.588,128.495 v1(113.128,125.955) ; v1@107.336,29.922 cw(c108.99,28.268) 108.99,30.607 ; v1@107.336,64.922 cw(c108.99,63.268) 108.99,65.607 ; v1@107.336,99.922 cw(c108.99,98.268) 108.99,100.607 ; v1@107.336,134.922 cw(c108.99,133.268) 108.99,135.607 ; v1@107.463,23.064 cw(c108.504,22.023) 108.504,23.495 cw(c108.504,24.967) v1@107.463,23.926 ; v1@107.463,58.064 cw(c108.504,57.023) 108.504,58.495 cw(c108.504,59.967) v1@107.463,58.926 ; v1@107.463,93.064 cw(c108.504,92.023) 108.504,93.495 cw(c108.504,94.967) v1@107.463,93.926 ; v1@107.463,128.064 cw(c108.504,127.023) 108.504,128.495 cw(c108.504,129.967) v1@107.463,128.926 ; v1(112.112,13.208) 112.239,13.335 v1(123.542,13.335) ; v1(112.112,48.208) 112.239,48.335 v1(123.542,48.335) ; v1(112.112,83.208) 112.239,83.335 v1(123.542,83.335) ; v1(112.112,118.208) 112.239,118.335 v1(123.542,118.335) ; v1@112.518,20.955 ccw(c111.047,20.955) 112.087,21.996 ccw(c113.128,23.036) v1@113.128,21.565 ; v1@112.518,55.955 ccw(c111.047,55.955) 112.087,56.996 ccw(c113.128,58.036) v1@113.128,56.565 ; v1@112.518,90.955 ccw(c111.047,90.955) 112.087,91.996 ccw(c113.128,93.036) v1@113.128,91.565 ; v1@112.518,125.955 ccw(c111.047,125.955) 112.087,126.996 ccw(c113.128,128.036) v1@113.128,126.565 ; v1@112.543,12.777 cw(c113.89,11.43) 113.89,13.335 ; v1@112.543,13.639 ccw(c113.277,14.373) 113.277,13.335 ; v1@112.543,47.777 cw(c113.89,46.43) 113.89,48.335 ; v1@112.543,48.639 ccw(c113.277,49.373) 113.277,48.335 ; v1@112.543,82.777 cw(c113.89,81.43) 113.89,83.335 ; v1@112.543,83.639 ccw(c113.277,84.373) 113.277,83.335 ; v1@112.543,117.777 cw(c113.89,116.43) 113.89,118.335 ; v1@112.543,118.639 ccw(c113.277,119.373) 113.277,118.335 ; v1@123.111,12.904 ccw(c122.07,11.863) 122.07,13.335 ccw(c122.07,14.807) v1@123.111,13.766 ; v1@123.111,47.904 ccw(c122.07,46.863) 122.07,48.335 ccw(c122.07,49.807) v1@123.111,48.766 ; v1@123.111,82.904 ccw(c122.07,81.863) 122.07,83.335 ccw(c122.07,84.807) v1@123.111,83.766 ; v1@123.111,117.904 ccw(c122.07,116.863) 122.07,118.335 ccw(c122.07,119.807) v1@123.111,118.766 ; 123.235,30.607 cw(c123.235,28.268) v1@124.889,29.922 ; 123.235,65.607 cw(c123.235,63.268) v1@124.889,64.922 ; 123.235,100.607 cw(c123.235,98.268) v1@124.889,99.922 ; 123.235,135.607 cw(c123.235,133.268) v1@124.889,134.922
  Bottom Layer w0.254: 0,0 0,35 ; 0.138,0 35,0 ; 0.138,35 35,35 ; 0.138,70 35,70 ; 0.138,105 35,105 ; 35.138,0 70,0 ; 35.138,35 70,35 ; 35.138,70 70,70 ; 35.138,105 70,105 ; 70.138,0 105,0 ; 70.138,35 105,35 ; 70.138,70 105,70 ; 70.138,105 105,105 ; 105.138,0 140,0 140,35 ; 105.138,35 140,35 ; 105.138,70 140,70 ; 105.138,105 140,105 ; 0,35 0,70 ; 0,35 35,35 ; 0,70 0,105 ; 0,70 35,70 ; 0,105 0,140 35,140 ; 0,105 35,105 ; 35,0 35,35 ; 35,0 35,35 ; 35,35 35,70 ; 35,35 35,70 ; 35,35 70,35 ; 35,70 35,105 ; 35,70 35,105 ; 35,70 70,70 ; 35,105 35,140 ; 35,105 35,140 ; 35,105 70,105 ; 35,140 70,140 ; 70,0 70,35 ; 70,0 70,35 ; 70,35 70,70 ; 70,35 70,70 ; 70,35 105,35 ; 70,70 70,105 ; 70,70 70,105 ; 70,70 105,70 ; 70,105 70,140 ; 70,105 70,140 ; 70,105 105,105 ; 70,140 105,140 ; 105,0 105,35 ; 105,0 105,35 ; 105,35 105,70 ; 105,35 105,70 ; 105,35 140,35 ; 105,70 105,105 ; 105,70 105,105 ; 105,70 140,70 ; 105,105 105,140 ; 105,105 105,140 ; 105,105 140,105 ; 105,140 140,140 140,105 ; 140,35 140,70 ; 140,70 140,105